# Allegro board 08_038702e.brd (continued)
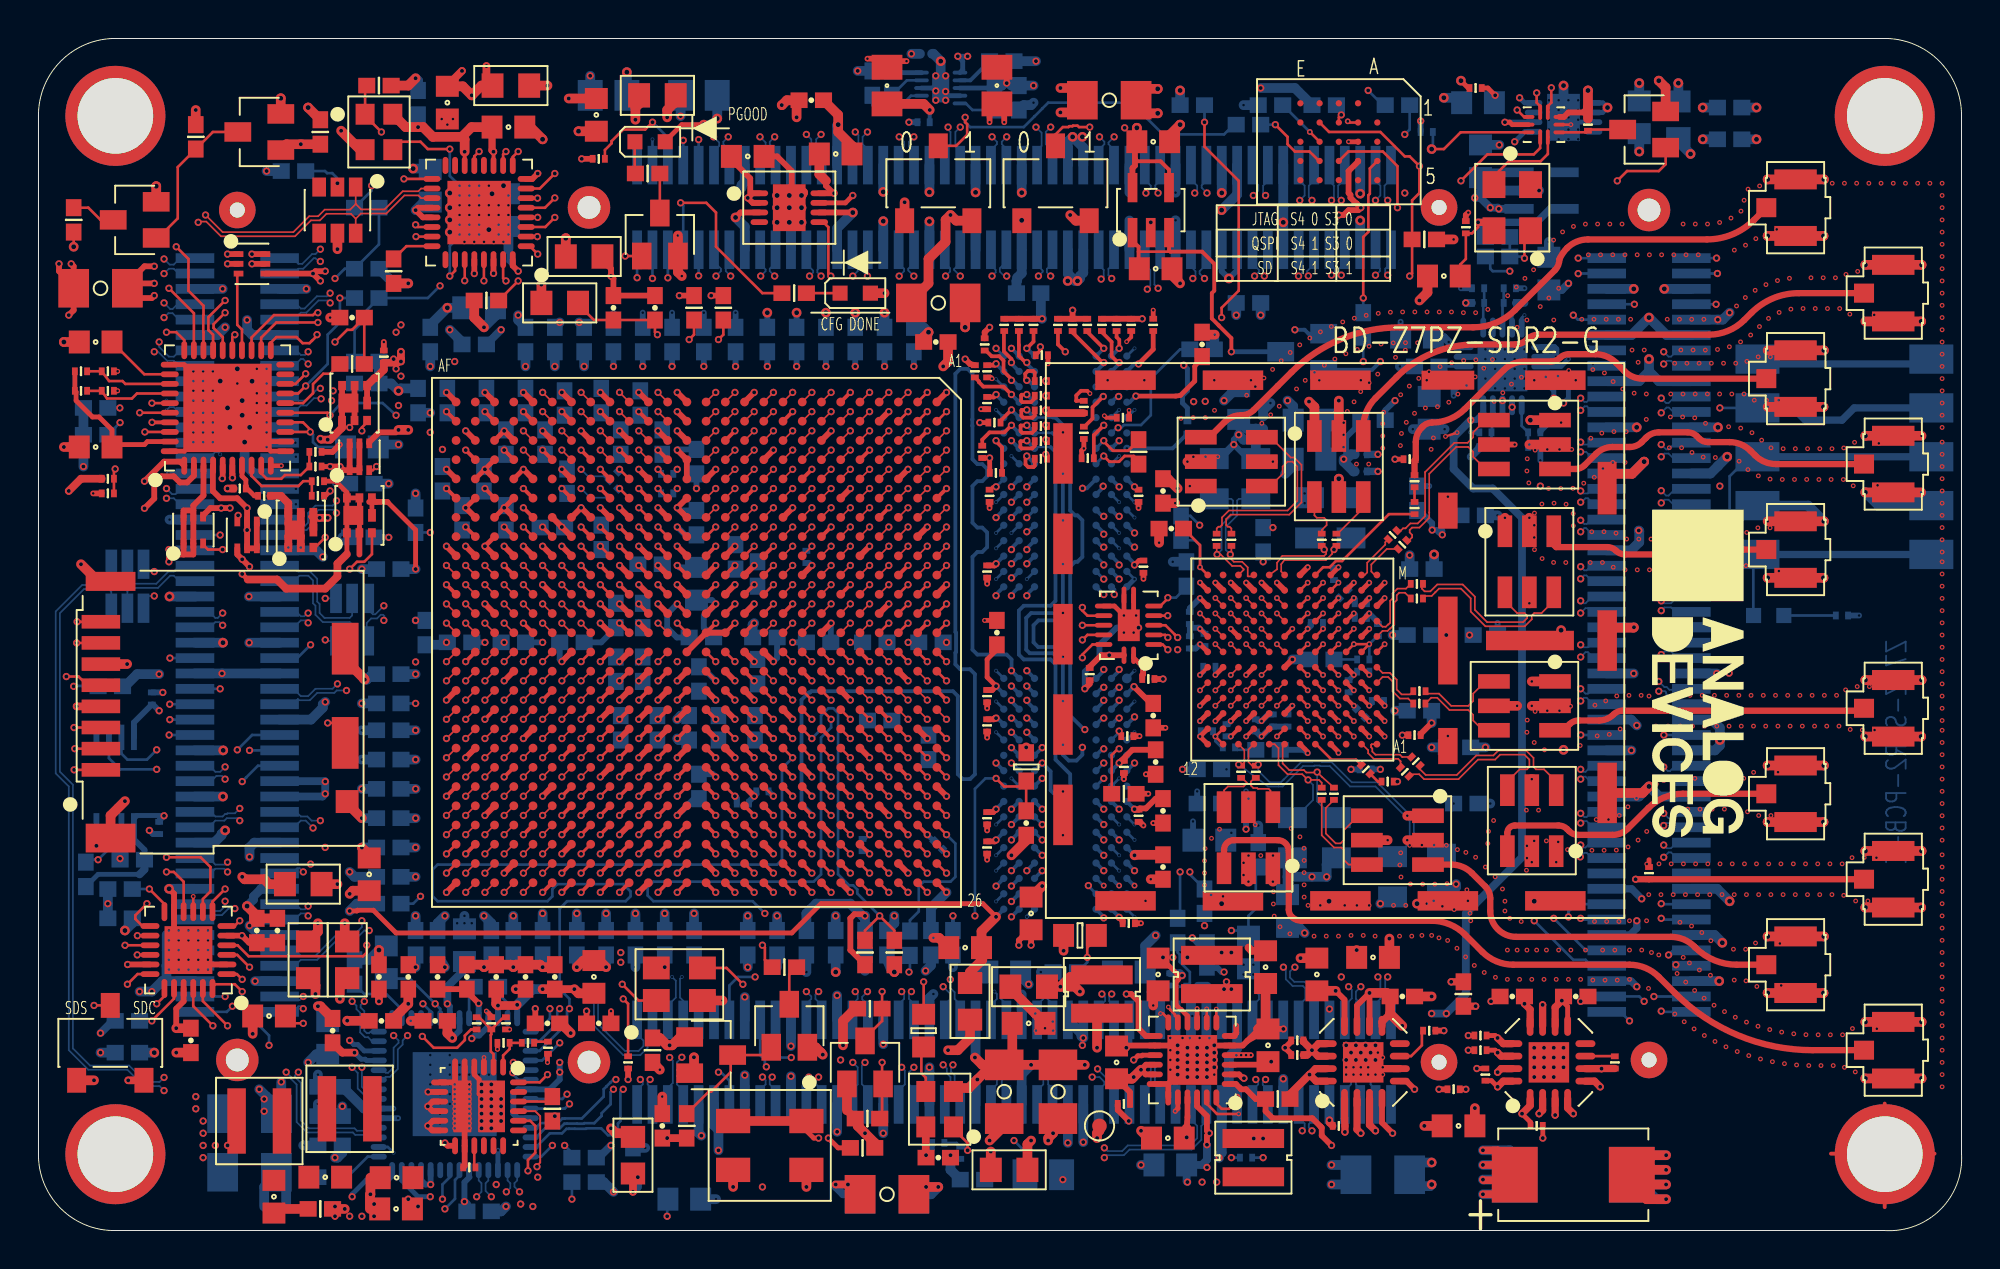
[diagram p0: board, top side]
## Routing (per net, layer and track width the routed paths; a pad name or vN(x,y) marks a point on that pad's centre or on a via; arc(x,y) is an arc through that point) (continued)
IO_L06_12_JX3_P: length 72.1
  TOP w0.089: U1.AA13 v1(26.22,31.59)
  L7_SIG w0.089: v1(15.5,37.32) 15.55,37.32 15.88,37.66 16.83,37.66 17.03,37.46 17.03,37.01 17.07,36.97 17.07,34.62 17.15,34.54 17.15,34.04 17.43,33.76 18.45,33.76 18.72,34.04 18.72,35.72 18.8,35.8 18.8,36.29 18.72,36.38 18.72,37.63 18.74,37.65 18.74,38.14 18.72,38.15 18.72,38.52 18.8,38.6 18.8,39.09 18.72,39.17 18.72,40.03 19.06,40.37 19.53,40.37 19.86,40.03 19.86,38.56 19.95,38.47 19.95,38.2 19.86,38.11 19.86,36.63 19.78,36.55 19.78,36.06 19.86,35.98 19.86,34.62 19.95,34.54 19.95,34.26 19.86,34.18 19.86,31.95 19.95,31.87 19.95,27.29 20.33,26.91 21.06,26.91 21.08,26.93 21.28,26.93 21.35,27 21.46,27 21.81,27.34 21.81,33.79 22.02,34 22.35,34 22.62,33.73 22.62,33.34 22.66,33.31 22.66,32.87 22.62,32.83 22.62,32.34 22.66,32.31 22.66,31.87 22.62,31.83 22.62,27.29 22.99,26.93 23.35,26.93 23.37,26.91 24.06,26.91 24.08,26.93 24.52,26.93 24.88,27.29 24.88,27.73 25.08,27.93 25.35,27.93 25.36,27.92 26.07,27.92 26.08,27.93 26.35,27.93 26.48,27.8 26.6,27.68 26.6,25.25 26.93,24.92 28.42,24.92 28.88,25.38 28.88,27.73 28.88,27.73 28.88,28.3 28.88,28.3 28.88,28.81 28.5,29.19 28.37,29.19 28.31,29.25 28.08,29.25 27.88,29.45 27.88,30.32 27.48,30.72 26.85,30.72 26.6,30.46 26.6,29.57 26.55,29.53 26.55,29.45 26.35,29.25 26.27,29.25 26.21,29.19 25.26,29.19 25.2,29.25 25.08,29.25 24.88,29.45 24.88,31.73 25.08,31.93 25.52,31.93 25.56,31.96 25.84,31.96 v1(26.22,31.59)
  BOTTOM w0.089: JX3.64 13.26,36.17 13.51,36.43 13.95,36.43 14.28,36.77 14.28,37.2 14.56,37.48 15.33,37.48 v1(15.5,37.32)
IO_L06_13_JX2_N: length 72.2
  TOP w0.089: U1.AB24 v1(25.22,19.59)
  L3_SIG w0.089: v1(38.15,7.98) 38.15,7.65 38.03,7.52 38.03,4.91 38.26,4.68 38.68,4.68 39.44,5.44 41,5.44 41.22,5.66 41.22,5.97 40.99,6.2 38.96,6.2 38.66,6.5 38.66,6.92 38.96,7.22 40.84,7.22 41.07,7.45 41.07,8.39 40.97,8.49 39.47,8.49 39.39,8.41 38.9,8.41 38.82,8.49 38.53,8.49 38.03,9 38.03,12.05 38.53,12.55 38.53,13.82 38.15,14.21 37.01,14.21 36.37,14.84 29.01,14.84 28.62,15.22 28.62,18.83 28.63,18.84 28.63,19.43 28.55,19.51 28.55,22.8 28.35,23 28.08,23 27.88,22.8 27.88,22.33 27.5,21.95 26.93,21.95 26.55,22.33 26.55,28.87 26.42,29 26.01,29 25.88,28.87 25.88,21.45 26.14,21.19 27.35,21.19 27.36,21.18 27.46,21.18 27.81,20.83 27.81,20.73 27.88,20.66 27.88,17.16 27.59,16.87 26.1,16.87 25.62,17.34 25.62,18.98 25.59,19.02 25.59,19.32 25.82,19.55 25.82,19.81 25.71,19.92 25.55,19.92 v1(25.22,19.59)
  BOTTOM w0.089: JX2.20 38.33,7.3 38.03,7.6 38.03,7.86 v1(38.15,7.98)
IO_L06_13_JX2_P: length 72.2
  TOP w0.089: U1.AA24 v1(26.22,19.59)
  L3_SIG w0.089: v1(26.22,19.59) 26.13,19.5 25.84,19.22 25.84,19.22 25.84,19.13 25.88,19.09 25.88,17.45 26.2,17.13 27.48,17.13 27.62,17.27 27.62,20.56 27.55,20.63 27.55,20.73 27.35,20.93 27.26,20.93 27.24,20.94 26.03,20.94 25.62,21.34 25.62,28.97 25.9,29.25 26.53,29.25 26.81,28.97 26.81,22.44 27.04,22.21 27.39,22.21 27.62,22.44 27.62,22.91 27.97,23.25 28.46,23.25 28.81,22.91 28.81,19.61 28.88,19.54 28.88,18.73 28.88,18.73 28.88,15.33 29.11,15.09 36.48,15.09 37.11,14.46 38.26,14.46 38.79,13.93 38.79,12.45 38.28,11.94 38.28,9.1 38.64,8.74 38.92,8.74 39,8.66 39.28,8.66 39.36,8.74 41.07,8.74 41.33,8.49 41.33,7.35 40.95,6.97 39.06,6.97 38.91,6.82 38.91,6.61 39.06,6.46 41.09,6.46 41.48,6.08 41.48,5.56 41.11,5.19 39.55,5.19 38.79,4.43 38.15,4.43 37.77,4.81 37.77,7.27 37.57,7.47 37.57,7.58 37.64,7.65 v1(37.64,7.98)
  BOTTOM w0.089: JX2.18 37.53,7.32 37.81,7.6 37.81,7.82 v1(37.64,7.98)
IO_L06_33_JX1_N: length 73.2
  TOP w0.089: U1.E3 v1(43.22,41.59)
  L7_SIG w0.089: v1(55.93,56.88) 55.68,56.62 55.68,55.97 55.91,55.73 59.62,55.73 60,56.12 60,60.81 60.38,61.2 68.38,61.2 68.76,60.81 68.76,59.31 68.23,58.78 66.49,58.78 65.97,59.31 65.97,59.69 65.73,59.93 61.63,59.93 61.39,59.69 61.39,55.59 61.63,55.35 64.42,55.35 64.95,54.82 64.95,53.58 64.31,52.94 64.31,52.72 64.33,52.7 64.33,52.27 64.44,52.15 64.44,47.12 64.04,46.72 60.6,46.72 59.72,45.83 58.47,45.83 58.09,46.21 56.34,46.21 56.33,46.21 56.05,46.21 56.05,46.21 55.54,46.21 55.53,46.21 55.25,46.21 55.25,46.21 52.32,46.21 52.24,46.29 51.96,46.29 51.88,46.21 51.25,46.21 51.25,46.21 50.74,46.21 50.73,46.21 50.45,46.21 50.45,46.21 49.94,46.21 49.93,46.21 49.65,46.21 49.65,46.21 49.46,46.02 49.46,45.6 47.91,44.05 47.2,44.05 46.81,43.65 46.81,43.34 46.39,42.92 43.08,42.92 42.85,42.7 42.85,41.95 v1(43.22,41.59)
  BOTTOM w0.089: JX1.63 55.93,56.21 55.64,56.5 55.64,56.59 v1(55.93,56.88)
IO_L06_33_JX1_P: length 73.2
  TOP w0.089: U1.F3 v1(42.22,41.59)
  L7_SIG w0.089: v1(55.17,56.88) 55.42,56.62 55.42,55.86 55.81,55.48 59.72,55.48 60.25,56.01 60.25,60.71 60.48,60.94 68.27,60.94 68.51,60.71 68.51,59.42 68.12,59.04 66.6,59.04 66.22,59.42 66.22,59.8 65.84,60.18 61.52,60.18 61.14,59.8 61.14,55.48 61.52,55.1 64.31,55.1 64.7,54.72 64.7,53.68 64.06,53.05 64.06,52.61 64.07,52.6 64.07,52.16 64.19,52.05 64.19,47.23 63.93,46.97 60.5,46.97 59.61,46.08 58.58,46.08 58.2,46.46 56.44,46.46 56.44,46.47 55.95,46.47 55.94,46.46 55.64,46.46 55.64,46.47 55.15,46.47 55.14,46.46 52.42,46.46 52.34,46.55 51.85,46.55 51.78,46.47 51.15,46.47 51.14,46.46 50.84,46.46 50.84,46.47 50.35,46.47 50.34,46.46 50.04,46.46 50.04,46.47 49.55,46.47 49.54,46.46 49.2,46.12 49.2,45.7 47.8,44.3 47.1,44.3 46.55,43.76 46.55,43.45 46.28,43.18 42.97,43.18 42.6,42.81 42.6,41.97 v1(42.22,41.59)
  BOTTOM w0.089: v1(55.17,56.88) 55.42,56.62 55.42,56.5 55.13,56.2 JX1.61
IO_L06_34_JX4_N: length 73.1
  TOP w0.089: U1.H8 v1(40.22,36.59)
  L4_SIG w0.089: v1(80.19,37.88) 80.52,38.21 80.95,38.21 81.08,38.08 81.08,37.57 81.21,37.45 81.33,37.45 81.46,37.57 81.46,38.08 81.59,38.21 81.84,38.21 81.97,38.08 81.97,37.95 82.03,37.89 82.16,37.89 82.22,37.95 82.22,38.08 82.35,38.21 82.5,38.21 83.51,37.19 84.22,37.19 84.24,37.21 84.52,37.21 84.54,37.19 86.9,37.19 87.43,37.72 87.43,37.85 87.66,38.08 89.23,38.08 89.33,37.98 89.33,37.23 89.26,37.16 89.26,36.61 89.33,36.54 89.33,35.27 89.23,35.16 81.97,35.16 81.44,34.63 81.44,33.89 81.06,33.51 70.43,33.51 70.11,33.19 69.87,33.19 69.68,33 69.51,33 69.32,33.19 69.07,33.19 68.88,33 68.71,33 68.52,33.19 68.27,33.19 68.08,33 67.91,33 67.52,33.39 67.47,33.39 67.1,33.77 67.1,33.82 65.62,35.3 65.62,35.84 65.28,36.17 64.74,36.17 64.74,36.18 63.93,36.18 63.68,36.43 61.63,36.43 60.83,37.23 60.67,37.23 60.62,37.27 60.13,37.27 60.09,37.23 59.22,37.23 58.93,36.94 56.46,36.94 56.33,36.81 54.28,36.81 52.25,34.78 51.77,34.78 51.53,35.01 49.65,35.01 49.33,34.69 48.78,34.69 48.29,35.18 40.04,35.18 39.84,35.38 39.84,36.22 v1(40.22,36.59)
  BOTTOM w0.089: JX4.34 80.88,37.77 80.57,38.08 80.44,38.08 80.24,37.88 v1(80.19,37.88)
IO_L06_34_JX4_P: length 73.1
  TOP w0.089: U1.J8 v1(39.22,36.59)
  L4_SIG w0.089: v1(39.22,36.59) 39.59,36.22 39.59,35.27 39.93,34.92 48.19,34.92 48.68,34.44 49.33,34.44 49.42,34.34 51.58,34.34 51.77,34.53 52.35,34.53 54.38,36.55 56.44,36.55 56.57,36.68 59.03,36.68 59.32,36.98 60.19,36.98 60.24,37.02 60.52,37.02 60.56,36.98 60.72,36.98 61.52,36.18 63.57,36.18 63.83,35.92 64.63,35.92 64.64,35.92 65.18,35.92 65.36,35.73 65.36,35.19 65.7,34.85 65.7,34.37 66.08,33.99 66.12,33.99 66.3,33.82 66.3,33.77 66.88,33.19 66.92,33.19 67.1,33.02 67.1,32.97 67.47,32.59 67.72,32.59 67.87,32.75 68.12,32.75 68.27,32.59 68.52,32.59 68.67,32.75 68.92,32.75 69.07,32.59 69.32,32.59 69.47,32.75 69.72,32.75 69.87,32.59 70.12,32.59 70.3,32.77 70.3,33.01 70.54,33.26 81.17,33.26 81.7,33.78 81.7,34.53 82.08,34.91 89.33,34.91 89.59,35.16 89.59,36.65 89.51,36.72 89.51,37.05 89.59,37.12 89.59,38.08 89.33,38.34 87.56,38.34 87.17,37.95 87.17,37.83 86.79,37.45 84.64,37.45 84.63,37.47 84.14,37.47 84.12,37.45 83.62,37.45 82.6,38.46 v1(80.19,38.46)
  BOTTOM w0.089: v1(80.19,38.46) 80.32,38.34 80.57,38.34 80.81,38.57 JX4.32
IO_L06_35_RX_D5_N: length 39.4
  TOP w0.089: U1.E13 v1(43.22,31.59) ; v6(64.4,32.09) U17.J7
  L15_SIG w0.089: v6(64.4,32.09) 64.4,31.05 63.89,30.55 63.89,30.37 63.72,30.2 63.54,30.2 63.04,29.7 60.61,29.7 59.87,28.96 59.87,26.4 59.62,26.14 59.13,26.14 58.73,26.55 58.73,27.18 58.62,27.29 58.2,27.29 58.09,27.18 58.09,26.55 57.69,26.14 57.26,26.14 57.24,26.12 57.13,26.12 56.78,25.78 56.78,25.73 56.44,25.39 55.95,25.39 55.91,25.43 54.46,25.43 54.42,25.46 54.14,25.46 54.13,25.45 54.1,25.45 53.25,26.29 53.25,28.84 53.04,29.05 52.13,29.05 51.29,29.9 51.29,31.57 51.14,31.72 49.47,31.72 49.46,31.73 49.22,31.73 48.82,32.13 48.82,34.04 48.71,34.14 47.84,34.14 47.81,34.11 47.81,32.34 47.46,32 47.44,32 47.36,31.92 42.91,31.92 42.81,31.82 42.81,31.7 42.9,31.6 43.2,31.6 v1(43.22,31.59)
IO_L06_35_RX_D5_P: length 39.4
  TOP w0.089: v6(63.6,31.29) U17.H8 ; U1.F13 v1(42.22,31.59)
  L15_SIG w0.089: v6(63.6,31.29) 63.68,31.38 63.68,31.48 63.81,31.6 64.06,31.6 64.14,31.52 64.14,31.18 63.76,30.79 63.47,30.79 63.3,30.62 63.3,30.59 63.3,30.59 63.3,30.31 62.94,29.95 60.5,29.95 59.62,29.06 59.62,26.5 59.51,26.4 59.23,26.4 58.98,26.65 58.98,27.29 58.73,27.54 58.09,27.54 57.84,27.29 57.84,26.65 57.58,26.4 57.15,26.4 57.13,26.38 57.03,26.38 56.53,25.88 56.53,25.84 56.33,25.64 56.05,25.64 56.02,25.68 54.56,25.68 54.53,25.72 54.19,25.72 53.51,26.4 53.51,28.95 53.15,29.31 52.24,29.31 51.54,30.01 51.54,31.68 51.24,31.97 49.57,31.97 49.56,31.99 49.33,31.99 49.07,32.24 49.07,34.14 48.82,34.4 47.74,34.4 47.55,34.21 47.55,32.45 47.35,32.25 47.33,32.25 47.26,32.18 42.81,32.18 v1(42.22,31.59)
IO_L07_12_JX3_N: length 72.6
  TOP w0.089: U1.AD10 v1(23.22,34.59)
  L7_SIG w0.089: v1(23.22,34.59) 22.84,34.96 22.84,41.62 22.81,41.65 22.81,41.83 22.46,42.18 21.97,42.18 21.94,42.15 21.49,42.15 21.46,42.18 20.97,42.18 20.94,42.15 19.84,42.15 19.61,42.38 19.61,42.8 19.84,43.03 20.93,43.03 20.97,43 21.46,43 21.5,43.03 21.93,43.03 21.97,43 22.46,43 22.81,43.34 22.81,43.53 22.84,43.56 22.84,44.12 22.53,44.43 19.86,44.43 19.48,44.81 19.48,48.68 19.82,49.01 19.82,49.5 19.47,49.85 19.47,50.8 19.71,51.04 20.32,51.04 20.57,51.29 21.1,51.29 21.12,51.27 21.66,51.27 21.68,51.29 24.06,51.29 24.44,51.67 24.44,52.56 24.06,52.94 23.29,52.94 22.91,53.32 22.91,53.83 22.53,54.21 22.06,54.21 21.66,54.61 21.12,54.61 20.72,54.21 18.24,54.21 17.73,53.7 16.69,53.7 16.31,54.08 16.31,55.2 15.78,55.73 14.81,55.73 14.28,55.2 14.28,52.69 14.66,52.31 17.62,52.31 17.85,52.07 17.85,43.03 17.47,42.65 16.3,42.65 16.02,42.38 15.94,42.38 15.57,42.02 14.91,42.02 14.78,42.15 v3(14.53,42.15)
  L17_SIG w0.089: v3(14.53,42.15) 14.52,42.14 14.39,42.14 14.25,42.27 13.41,42.27 11.74,40.6 10.55,40.6 10.32,40.84 10.19,40.84 10.03,41 v3(9.83,41)
  L19_GND w0.089: v3(9.83,41) 9.7,40.88 v4(9.45,40.88)
  BOTTOM w0.089: v4(9.45,40.88) 9.3,40.73 9.18,40.73 8.94,40.97 JX3.75
IO_L07_12_JX3_P: length 72.5
  TOP w0.089: U1.AE10 v1(22.22,34.59)
  L7_SIG w0.089: v3(14.78,41.69) 15.09,41.69 15.17,41.76 15.29,41.76 15.55,41.51 15.67,41.51 15.8,41.64 15.8,41.88 16.04,42.13 16.13,42.13 16.4,42.4 17.58,42.4 18.11,42.93 18.11,52.18 17.73,52.56 14.76,52.56 14.53,52.79 14.53,55.1 14.91,55.48 15.67,55.48 16.05,55.1 16.05,53.98 16.58,53.45 17.83,53.45 18.34,53.96 20.82,53.96 21.22,54.36 21.55,54.36 21.95,53.96 22.43,53.96 22.66,53.72 22.66,53.22 23.19,52.69 23.95,52.69 24.18,52.45 24.18,51.78 23.95,51.54 21.57,51.54 21.55,51.52 21.22,51.52 21.2,51.54 20.47,51.54 20.22,51.29 19.6,51.29 19.22,50.91 19.22,49.85 19.21,49.84 19.21,49.68 19.3,49.59 19.37,49.59 19.57,49.4 19.57,49.12 19.23,48.78 19.23,44.71 19.76,44.18 22.43,44.18 22.59,44.02 22.59,43.67 22.55,43.63 22.55,43.45 22.35,43.25 22.08,43.25 22.04,43.29 21.39,43.29 21.35,43.25 21.08,43.25 21.04,43.29 19.74,43.29 19.36,42.91 19.36,42.27 19.74,41.89 21.04,41.89 21.08,41.92 21.35,41.92 21.39,41.89 22.04,41.89 22.08,41.92 22.35,41.92 22.55,41.73 22.55,41.55 22.59,41.51 22.59,34.96 v1(22.22,34.59)
  L17_SIG w0.089: v3(9.83,40.37) 10,40.54 10.26,40.54 10.45,40.35 11.84,40.35 13.51,42.02 14.15,42.02 14.48,41.69 v3(14.78,41.69)
  L19_GND w0.089: v4(9.45,40.37) v3(9.83,40.37)
  BOTTOM w0.089: v4(9.45,40.37) 9.32,40.49 9.2,40.49 8.87,40.17 JX3.73
IO_L07_13_JX2_N: length 74
  TOP w0.089: U1.AF22 v1(21.22,21.59)
  L7_SIG w0.089: v1(21.22,21.59) 21.59,21.96 21.59,22.41 21.62,22.45 21.62,22.83 21.97,23.18 25.46,23.18 25.81,22.83 25.81,15.48 26.19,15.09 30.89,15.09 31.65,14.33 37.37,14.33 37.75,13.95 38.17,13.95 39.19,14.97 41.89,14.97 42.49,14.37 43.01,14.37 44.5,12.88 44.5,10.63 44.73,10.4 50.45,10.4 50.98,9.87 50.98,7.47 50.22,6.71 50.22,5.44 49.84,5.06 48.84,5.06 48.31,5.59 48.31,7.16 48.13,7.35 47.86,7.35 47.68,7.16 47.68,5.59 47.15,5.06 46.53,5.06 46.15,5.44 46.15,7.35 45.77,7.73 41.73,7.73 41.2,8.26 41.2,8.54 41.12,8.63 41.12,9.12 41.2,9.2 41.2,11.42 41.86,12.09 41.86,12.37 41.84,12.4 41.84,13.26 41.85,13.28 41.85,13.61 41.51,13.95 40.69,13.95 40.57,13.82 v1(40.57,12.43)
  BOTTOM w0.089: v1(40.57,12.43) 40.4,12.26 40.4,12.05 40.73,11.72 JX2.25
IO_L07_13_JX2_P: length 74
  TOP w0.089: U1.AE22 v1(22.22,21.59)
  L7_SIG w0.089: v1(22.22,21.59) 21.84,21.96 21.84,22.31 21.88,22.36 21.88,22.73 22.08,22.93 25.35,22.93 25.55,22.73 25.55,15.38 26.09,14.84 30.79,14.84 31.55,14.08 37.26,14.08 37.64,13.7 38.28,13.7 39.3,14.71 41.78,14.71 42.38,14.11 42.91,14.11 44.25,12.77 44.25,10.52 44.63,10.14 50.34,10.14 50.73,9.76 50.73,7.58 49.96,6.82 49.96,5.55 49.73,5.32 48.95,5.32 48.57,5.7 48.57,7.27 48.23,7.6 47.76,7.6 47.42,7.27 47.42,5.7 47.04,5.32 46.64,5.32 46.41,5.55 46.41,7.45 45.88,7.98 41.84,7.98 41.45,8.36 41.45,8.65 41.37,8.73 41.37,9.01 41.45,9.09 41.45,11.32 42.12,11.98 42.12,12.47 42.09,12.5 42.09,13.15 42.11,13.17 42.11,13.71 41.62,14.21 40.8,14.21 40.59,14.21 40.31,13.93 40.31,13.06 40.18,12.94 39.68,12.94 39.55,12.81 39.55,12.68 39.68,12.55 39.8,12.55 v1(39.93,12.43)
  BOTTOM w0.089: v1(39.93,12.43) 40.18,12.17 40.18,12.05 39.93,11.79 JX2.23
IO_L07_33_JX1_N: length 72.7
  TOP w0.089: U1.H1 v1(40.22,43.59)
  L14_SIG w0.089: v1(40.22,43.59) 39.84,43.96 39.84,44.24 40.44,44.83 40.44,45.47 41.05,46.08 43.21,46.08 44.21,47.08 44.27,47.08 44.65,47.46 44.65,47.52 46.83,49.7 46.83,49.78 47.03,49.98 47.1,49.98 48.04,50.91 55.45,50.91 55.68,50.68 55.68,50.51 55.45,50.27 55.06,50.27 54.54,49.74 54.54,48.64 54.79,48.39 54.79,47.35 55.55,46.59 57.33,46.59 57.71,46.21 57.71,45.45 58.09,45.07 58.85,45.07 59.23,45.45 59.23,46.21 59.62,46.59 60.89,46.59 61.27,46.21 61.27,45.57 61.65,45.19 61.7,45.19 61.78,45.11 62.27,45.11 62.62,45.46 62.62,45.53 62.66,45.57 62.66,46.21 63.04,46.59 64.82,46.59 64.99,46.76 64.99,46.98 65.08,47.07 65.08,47.23 65.33,47.48 71.11,47.48 71.13,47.5 71.47,47.5 71.48,47.48 72.04,47.48 72.7,48.13 73.46,48.13 73.84,48.51 73.84,49.13 73.46,49.51 72.44,49.51 72.06,49.13 65.22,49.13 64.46,48.37 64.04,48.37 63.28,49.13 62.3,49.13 62.05,48.88 62.05,48.37 61.8,48.11 56.04,48.11 55.68,48.47 55.68,49.38 v1(55.81,49.51)
  BOTTOM w0.089: JX1.64 55.93,50.31 55.64,50.02 55.64,49.68 v1(55.81,49.51)
IO_L07_33_JX1_P: length 72.7
  TOP w0.089: U1.J1 v1(39.22,43.59)
  L14_SIG w0.089: v1(55.26,49.48) 55.42,49.32 55.42,48.37 55.93,47.86 61.9,47.86 62.3,48.26 62.3,48.77 62.41,48.88 63.17,48.88 63.93,48.11 64.57,48.11 65.33,48.88 72.17,48.88 72.55,49.26 73.35,49.26 73.59,49.03 73.59,48.62 73.35,48.39 72.59,48.39 71.94,47.73 71.59,47.73 71.57,47.75 71.03,47.75 71.01,47.73 65.22,47.73 64.82,47.33 64.82,47.17 64.74,47.09 64.74,46.87 64.72,46.84 62.94,46.84 62.41,46.31 62.41,45.68 62.36,45.63 62.36,45.56 62.17,45.37 61.89,45.37 61.81,45.45 61.75,45.45 61.52,45.68 61.52,46.31 60.99,46.84 59.51,46.84 58.98,46.31 58.98,45.55 58.75,45.32 58.2,45.32 57.96,45.55 57.96,46.31 57.43,46.84 55.66,46.84 55.04,47.46 55.04,48.5 54.79,48.75 54.79,49.64 55.17,50.02 55.55,50.02 55.93,50.4 55.93,50.78 55.55,51.16 47.93,51.16 47,50.23 46.92,50.23 46.58,49.88 46.58,49.81 44.39,47.63 44.39,47.57 44.16,47.33 44.1,47.33 43.11,46.34 40.95,46.34 40.18,45.57 40.18,44.94 39.59,44.34 39.59,43.96 v1(39.22,43.59)
  BOTTOM w0.089: JX1.62 55.13,50.22 55.39,49.96 55.39,49.62 v1(55.26,49.48)
IO_L07_34_JX4_N: length 72.4
  TOP w0.089: U1.E5 v1(43.22,39.59)
  L17_SIG w0.089: v1(84.38,36.24) 84.32,36.24 84.19,36.11 84.06,36.11 83.87,36.3 83.87,36.35 83.95,36.43 83.95,36.56 83.88,36.62 83.47,36.62 81.17,38.93 78.45,38.93 73.33,44.05 73.33,49.64 72.7,50.27 71.17,50.27 70.79,49.89 70.79,47.48 70.41,47.1 68.63,47.1 68.25,47.48 68.25,49.89 67.87,50.27 65.33,50.27 63.25,48.2 59.96,48.2 59.96,48.19 59.47,48.19 59.46,48.2 55.76,48.2 54.79,47.23 54.79,44.81 54.41,44.43 53.14,44.43 52.76,44.81 52.76,47.82 52.38,48.2 51.63,48.2 49.46,46.02 49.46,45.76 47.88,44.18 43.11,44.18 42.85,43.92 42.85,40.06 42.84,40.05 42.84,39.96 v1(43.22,39.59)
  BOTTOM w0.089: v1(84.38,36.24) 84.55,36.41 84.76,36.41 85,36.17 JX4.37
IO_L07_34_JX4_P: length 72.4
  TOP w0.089: U1.F5 v1(42.22,39.59)
  L17_SIG w0.089: v1(84.38,36.88) 83.58,36.88 81.27,39.18 78.56,39.18 73.59,44.16 73.59,49.74 72.8,50.53 71.07,50.53 70.54,50 70.54,47.58 70.3,47.35 68.74,47.35 68.51,47.58 68.51,50 67.98,50.53 65.22,50.53 63.15,48.45 59.86,48.45 59.85,48.44 59.57,48.44 59.57,48.45 55.66,48.45 54.54,47.33 54.54,44.92 54.3,44.69 53.24,44.69 53.01,44.92 53.01,47.92 52.48,48.45 51.53,48.45 49.2,46.12 49.2,45.86 47.77,44.43 43,44.43 42.6,44.03 42.6,40.17 42.59,40.16 42.59,39.96 v1(42.22,39.59)
  BOTTOM w0.089: JX4.35 85.11,36.97 84.76,36.62 84.63,36.62 v1(84.38,36.88)
IO_L07_35_RX_FRAME_N: length 35.9
  TOP w0.089: v6(64.4,30.49) U17.G7 ; U1.H12 v1(40.22,32.59)
  L17_SIG w0.089: v1(40.22,32.59) 40.59,32.22 43.34,32.22 43.37,32.18 43.46,32.18 43.81,31.83 43.81,31.26 43.85,31.22 44.52,31.22 44.63,31.32 44.63,31.83 44.97,32.18 45,32.18 45.03,32.22 46.39,32.22 46.42,32.18 46.46,32.18 46.81,31.83 46.81,31.31 46.89,31.22 47.32,31.22 47.35,31.25 47.5,31.25 47.55,31.3 47.55,31.45 47.58,31.48 47.58,32.37 47.83,32.62 48.54,32.62 48.95,32.22 48.95,31.69 49.2,31.43 49.32,31.43 49.32,31.43 49.4,31.43 49.48,31.51 49.48,32.22 49.88,32.62 50.47,32.62 50.73,32.37 50.73,31.58 50.83,31.48 51.28,31.48 51.39,31.58 51.39,32.22 51.79,32.62 52.27,32.62 52.53,32.37 52.53,31.43 52.61,31.35 53.57,31.35 53.69,31.48 53.69,31.83 53.93,32.07 54.42,32.07 54.44,32.09 58.05,32.09 58.49,31.64 59.58,31.64 60.23,30.99 62.12,30.99 62.3,31.17 62.3,31.5 62.59,31.79 63,31.79 63.3,31.5 63.3,31.17 63.47,31 63.89,31 64.05,30.84 64.13,30.76 64.13,30.54 64.18,30.49 v6(64.4,30.49)
IO_L07_35_RX_FRAME_P: length 36.1
  TOP w0.089: U1.H13 v1(40.22,31.59) ; v6(63.6,30.49) U17.G8
  L17_SIG w0.089: v1(40.22,31.59) 40.59,31.96 43.23,31.96 43.27,31.92 43.35,31.92 43.55,31.73 43.55,31.16 43.74,30.97 44.63,30.97 44.88,31.22 44.88,31.73 45.08,31.92 45.1,31.92 45.14,31.96 46.28,31.96 46.32,31.92 46.35,31.92 46.55,31.73 46.55,31.21 46.79,30.97 47.43,30.97 47.46,31 47.6,31 47.81,31.2 47.81,31.35 47.83,31.37 47.83,32.26 47.94,32.37 48.44,32.37 48.69,32.11 48.69,31.58 49.1,31.18 49.21,31.18 49.22,31.18 49.59,31.18 49.73,31.33 49.73,32.11 49.99,32.37 50.37,32.37 50.47,32.26 50.47,31.48 50.73,31.22 51.39,31.22 51.64,31.48 51.64,32.11 51.89,32.37 52.17,32.37 52.27,32.26 52.27,31.33 52.5,31.1 53.67,31.1 53.95,31.37 53.95,31.8 54.01,31.87 54.51,31.87 54.52,31.88 57.96,31.88 58.41,31.44 59.49,31.44 60.14,30.79 62.2,30.79 62.5,31.09 62.5,31.42 62.67,31.59 62.92,31.59 63.1,31.42 63.1,31.09 63.39,30.79 63.45,30.79 63.45,30.79 63.74,30.79 63.87,30.66 63.87,30.44 63.93,30.36 63.93,30.28 63.86,30.23 63.76,30.23 63.68,30.31 63.68,30.41 v6(63.6,30.49)
IO_L08_12_JX3_N: length 72.8
  TOP w0.089: U1.AF12 v1(21.22,32.59)
  L15_SIG w0.089: v3(14.02,41) 13.28,41 12.75,40.47 12.75,38.44 12.52,38.21 8.96,38.21 8.43,37.68 8.43,37.04 8.79,36.68 9.45,36.68 9.96,36.18 9.96,35.75 10.34,35.37 14.92,35.37 15.01,35.29 15.52,35.29 15.63,35.4 15.69,35.4 17.32,37.03 17.32,39.48 15.8,41 15.8,42.04 16.56,42.8 16.56,51.95 16.79,52.18 17.6,52.18 17.83,51.95 17.83,40.77 18.85,39.75 18.85,34.25 18.62,34.02 16.08,34.02 15.55,33.49 15.55,31.35 15.93,30.97 19.99,30.97 20.37,31.35 20.37,33.51 20.79,33.93 21.35,33.93 21.59,33.69 21.59,32.96 v1(21.22,32.59)
  L19_GND w0.089: v3(14.02,41) 13.99,40.97 v4(13.36,40.97)
  BOTTOM w0.089: JX3.76 v4(13.36,40.97)
IO_L08_12_JX3_P: length 72.8
  TOP w0.089: U1.AE12 v1(22.22,32.59)
  L15_SIG w0.089: v1(22.22,32.59) 21.84,32.96 21.84,33.8 21.46,34.18 20.68,34.18 20.12,33.61 20.12,31.46 19.89,31.22 16.03,31.22 15.8,31.46 15.8,33.38 16.18,33.76 18.72,33.76 19.1,34.14 19.1,39.86 18.09,40.88 18.09,52.05 17.71,52.43 16.69,52.43 16.31,52.05 16.31,42.91 15.55,42.15 15.55,40.9 17.07,39.37 17.07,37.13 15.59,35.65 15.53,35.65 15.42,35.54 15.11,35.54 15.03,35.62 10.44,35.62 10.21,35.86 10.21,36.28 9.56,36.94 8.9,36.94 8.69,37.15 8.69,37.57 9.07,37.95 12.63,37.95 13.01,38.34 13.01,40.37 13.39,40.75 13.46,40.75 13.54,40.67 13.67,40.67 13.74,40.75 13.8,40.75 13.88,40.67 13.89,40.67 13.9,40.66 13.9,40.49 13.95,40.44 v3(14.02,40.44)
  L19_GND w0.089: v3(14.02,40.44) 13.82,40.24 v4(13.39,40.24)
  BOTTOM w0.089: JX3.74 13.32,40.17 v4(13.39,40.24)
IO_L08_13_JX2_N: length 73.9
  TOP w0.089: U1.AF23 v1(21.22,20.59)
  L7_SIG w0.089: v1(21.22,20.59) 21.61,20.59 21.64,20.56 21.64,20.41 21.41,20.18 20.65,20.18 20.25,19.77 20.25,13.47 22.81,10.9 24.58,10.9 25.2,10.29 25.2,6.48 26.49,5.19 27.52,5.19 27.6,5.27 27.67,5.27 28.99,6.59 35.13,6.59 35.87,5.85 35.87,3.69 36.27,3.28 36.63,3.28 36.88,3.03 36.88,1.76 37.14,1.51 53.52,1.51 53.9,1.89 53.9,3.16 53.52,3.54 46,3.54 45.77,3.77 45.77,4.1 45.85,4.18 45.85,5.44 45.47,5.82 40.73,5.82 40.5,6.06 40.5,7.92 v1(40.57,7.98)
  BOTTOM w0.089: JX2.26 40.73,7.31 40.44,7.6 40.44,7.86 v1(40.57,7.98)
IO_L08_13_JX2_P: length 74
  TOP w0.089: U1.AE23 v1(22.22,20.59)
  L7_SIG w0.089: v1(22.22,20.59) 22.18,20.56 21.99,20.56 21.9,20.47 21.9,20.3 21.52,19.93 20.76,19.93 20.5,19.67 20.5,13.57 22.91,11.16 24.69,11.16 25.45,10.4 25.45,6.59 26.6,5.44 27.41,5.44 27.49,5.52 27.57,5.52 28.88,6.84 35.23,6.84 36.12,5.95 36.12,3.79 36.37,3.54 36.73,3.54 37.14,3.13 37.14,1.86 37.24,1.76 53.41,1.76 53.65,1.99 53.65,3.05 53.41,3.28 45.9,3.28 45.52,3.66 45.52,4.2 45.6,4.29 45.6,5.34 45.37,5.57 40.63,5.57 40.25,5.95 40.25,6.9 40.06,7.09 39.73,7.09 39.63,7.2 39.63,7.37 39.73,7.47 40.12,7.47 40.25,7.6 40.25,7.79 v1(40.06,7.98)
  BOTTOM w0.089: JX2.24 39.93,7.31 40.22,7.6 40.22,7.82 v1(40.06,7.98)
IO_L08_33_JX1_N: length 73.5
  TOP w0.089: U1.H3 v1(40.22,41.59)
  L15_SIG w0.089: v1(58.22,53.96) 57.97,54.21 57.93,54.21 57.84,54.3 57.84,54.65 57.39,55.1 56.17,55.1 55.81,54.74 55.81,53.34 56.33,52.81 60.53,52.81 61.03,52.31 62.48,52.31 62.86,52.69 64.42,52.69 64.56,52.83 64.89,52.83 65.04,52.69 65.48,52.69 65.71,52.45 65.71,51.78 65.48,51.54 55.19,51.54 54.92,51.27 54.92,50.68 55.45,50.15 64.59,50.15 64.82,49.91 64.82,48.47 64.59,48.24 55.78,48.24 55.4,48.62 51.87,48.62 50.34,47.1 50.16,47.1 49.64,47.63 47.91,47.63 47.53,47.24 47.53,46.3 47.19,45.96 43.76,45.96 43.36,45.55 43.36,44.33 43.61,44.07 43.61,41.36 43.5,41.25 40.55,41.25 v1(40.22,41.59)
  BOTTOM w0.089: v1(58.22,53.96) 58.22,54.09 58.07,54.23 58.07,54.36 58.33,54.61 JX1.69
IO_L08_33_JX1_P: length 73.4
  TOP w0.089: U1.H4 v1(40.22,40.59)
  L15_SIG w0.089: v1(40.22,40.59) 40.62,41 43.61,41 43.87,41.26 43.87,44.18 43.61,44.43 43.61,45.45 43.87,45.7 47.3,45.7 47.79,46.19 47.79,47.14 48.02,47.37 49.53,47.37 50.06,46.84 50.45,46.84 51.97,48.37 55.3,48.37 55.68,47.99 64.7,47.99 65.08,48.37 65.08,50.02 64.7,50.4 55.55,50.4 55.17,50.78 55.17,51.16 55.3,51.29 65.58,51.29 65.97,51.67 65.97,52.56 65.58,52.94 65.14,52.94 65,53.09 64.46,53.09 64.31,52.94 62.76,52.94 62.38,52.56 61.14,52.56 60.63,53.07 56.44,53.07 56.06,53.45 56.06,54.63 56.27,54.85 56.54,54.85 56.75,54.64 56.75,54.54 56.82,54.46 56.95,54.46 57.08,54.59 57.08,54.72 57.2,54.85 57.29,54.85 57.59,54.55 v1(57.59,53.96)
  BOTTOM w0.089: v1(57.59,53.96) 57.59,53.96 57.84,54.21 57.84,54.34 57.53,54.65 JX1.67
IO_L08_34_JX4_N: length 73.5
  TOP w0.089: U1.D8 v1(44.22,36.59)
  L4_SIG w0.089: v1(44.22,36.59) 44.63,36.18 44.97,36.18 44.97,36.18 47.7,36.18 47.95,36.43 49.35,36.43 49.6,36.68 51.58,36.68 51.84,36.43 52.38,36.43 52.61,36.66 52.61,36.9 53.41,37.69 54.04,37.69 54.68,38.34 57.33,38.34 57.71,37.95 61.01,37.95 61.65,37.32 62.54,37.32 62.66,37.45 63.3,37.45 63.43,37.32 65.93,37.32 66.19,37.57 66.19,37.83 66.44,38.08 67.72,38.08 68.25,37.55 68.25,34.88 68.48,34.65 68.91,34.65 69.14,34.88 69.14,37.55 69.67,38.08 70.13,38.08 70.66,37.55 70.66,34.5 70.9,34.27 71.57,34.27 71.81,34.5 71.81,37.55 72.34,38.08 73.44,38.08 73.97,37.55 73.97,34.63 74.2,34.4 74.75,34.4 74.98,34.63 74.98,37.7 75.36,38.08 76.48,38.08 77.01,37.55 77.01,34.5 77.25,34.27 78.05,34.27 78.28,34.5 78.28,38.08 78.67,38.46 79.3,38.46 79.68,38.08 79.68,35.41 79.81,35.29 80.81,35.29 80.94,35.41 80.94,35.68 80.82,35.8 80.7,35.8 80.57,35.92 80.57,36.18 80.7,36.31 80.82,36.31 80.94,36.43 80.94,36.58 80.83,36.68 80.41,36.68 80.33,36.6 80.23,36.6 80.17,36.54 80.17,36.36 v1(80.19,36.34)
  BOTTOM w0.089: JX4.38 80.83,36.17 80.47,36.53 80.38,36.53 v1(80.19,36.34)
IO_L08_34_JX4_P: length 73.5
  TOP w0.089: U1.D9 v1(44.22,35.59)
  L4_SIG w0.089: v1(44.22,35.59) 44.55,35.92 45.07,35.92 45.08,35.92 47.81,35.92 48.06,36.18 49.42,36.18 49.65,35.94 51.53,35.94 51.77,36.18 52.48,36.18 52.86,36.56 52.86,36.79 53.51,37.44 54.15,37.44 54.79,38.08 57.22,38.08 57.6,37.7 60.91,37.7 61.54,37.07 62.64,37.07 62.77,37.19 63.19,37.19 63.32,37.07 66.04,37.07 66.44,37.47 66.44,37.72 66.55,37.83 67.62,37.83 68,37.45 68,34.78 68.38,34.4 69.01,34.4 69.39,34.78 69.39,37.45 69.78,37.83 70.03,37.83 70.41,37.45 70.41,34.4 70.79,34.02 71.68,34.02 72.06,34.4 72.06,37.45 72.44,37.83 73.33,37.83 73.71,37.45 73.71,34.53 74.09,34.14 74.86,34.14 75.24,34.53 75.24,37.6 75.47,37.83 76.38,37.83 76.76,37.45 76.76,34.4 77.14,34.02 78.16,34.02 78.54,34.4 78.54,37.98 78.77,38.21 79.19,38.21 79.43,37.98 79.43,35.29 79.68,35.03 80.94,35.03 81.19,35.29 81.19,36.68 80.94,36.94 v1(80.19,36.94)